# Altium PCB CB3-ECB_PCB.PcbDoc (part 1 of 4) (continued)
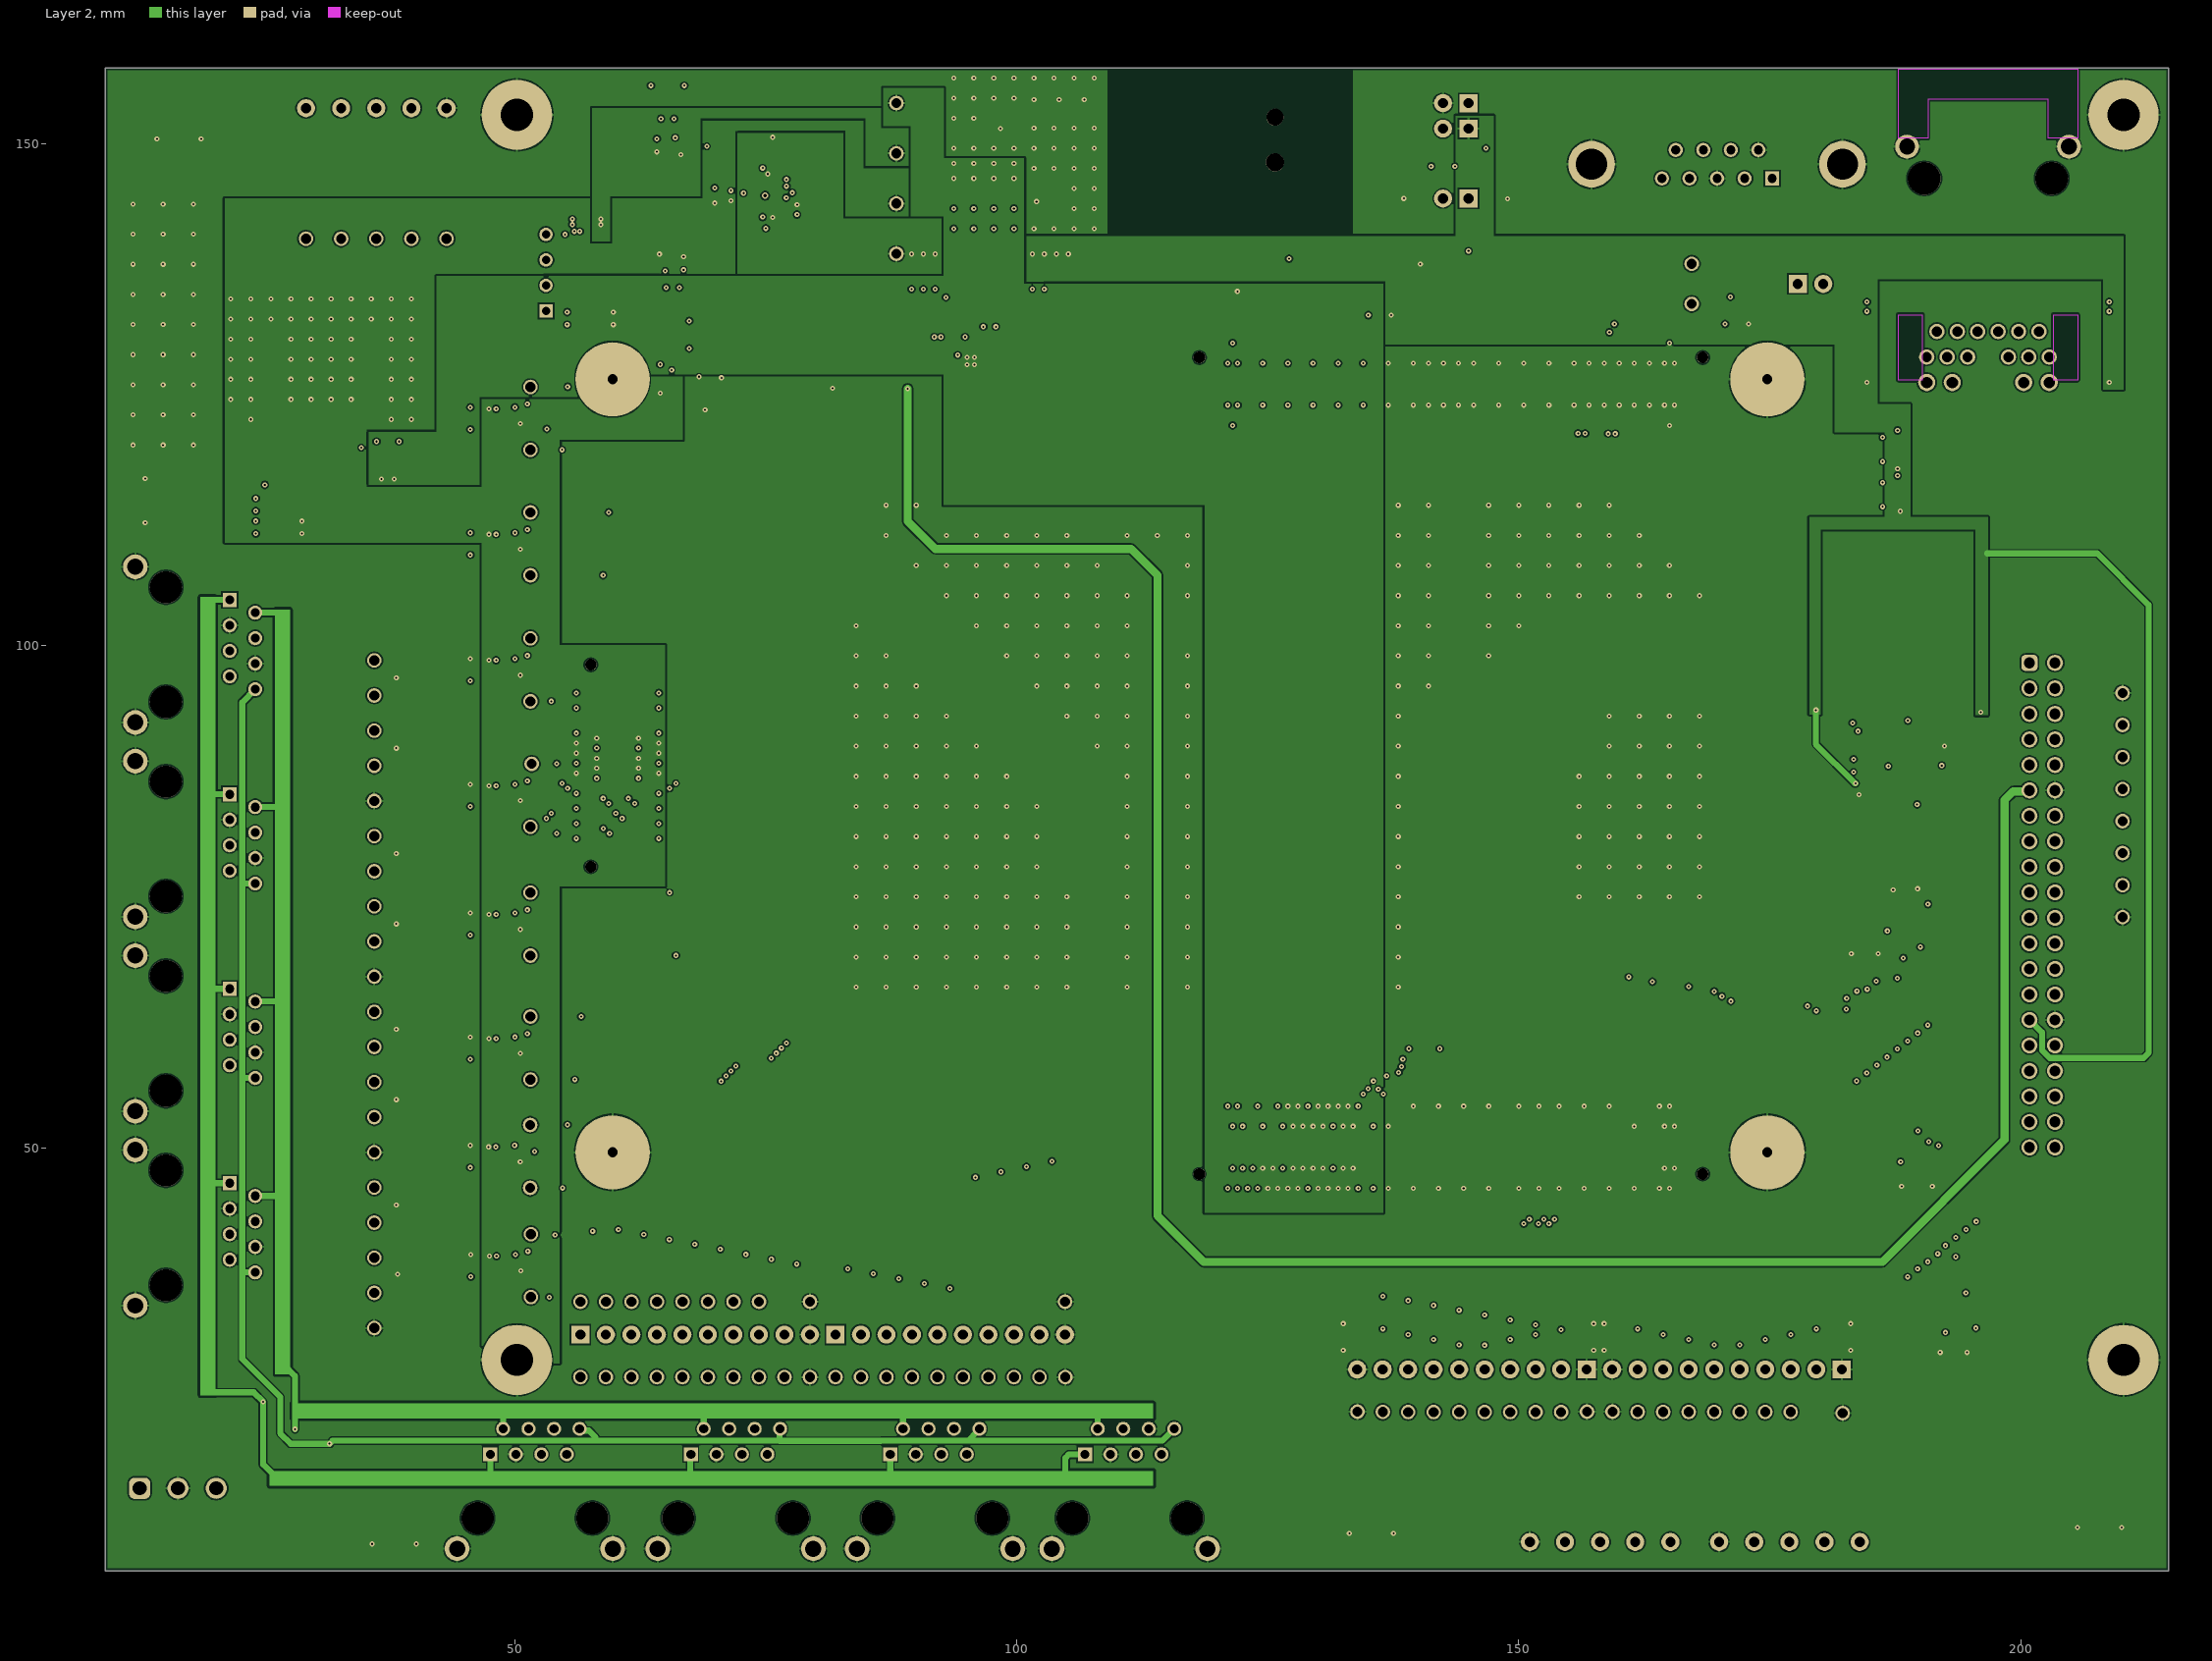
[diagram p3: Layer 2]

## Layer stack, top to bottom
Top Solder: solder mask 0.0102, Solder Resist, Dk 3.5
Top Layer: signal copper 0.035
Dielectric 1: prepreg 0.11, PP-006, Dk 4.29
Layer 1: signal copper 0.035
Dielectric4: dielectric 1.2, FR-4, Dk 4.8
Layer 2: signal copper 0.035
Dielectric 2: prepreg 0.11, PP-006, Dk 4.29
Bottom Layer: signal copper 0.035
Bottom Solder: solder mask 0.0102, Solder Resist, Dk 3.5

## Board outline
9.225,7.875 9.225,157.55 214.725,157.55 214.725,7.875
board region "Default Layer Stack Region": 9.225,7.875 9.225,157.55 214.725,157.55 214.725,7.875
board region "Default Layer Stack Region": 9.225,7.875 9.225,157.55 214.725,157.55 214.725,7.875
board region "Layer Stack Region 1": 9.225,7.875 9.225,157.55 214.725,157.55 214.725,7.875

## Design rules (kind name [scope] priority, off if disabled: settings)
BoardOutlineClearance [All] p1: gap=0.25 ignorepadtopadclearanceinfootprint=FALSE
Clearance Clearance_Layer1 [OnLayer('Layer 2')] p1: gap=0.152 ignorepadtopadclearanceinfootprint=FALSE except(0.25: Fill-Fill Fill-Poly Fill-Region Poly-Poly Poly-Region Region-Region)
Clearance [All] p2: gap=0.152 ignorepadtopadclearanceinfootprint=FALSE
ComponentClearance [All] p1: gap=0 collisioncheckmode=3 verticalgap=2540 showdistances=FALSE
DiffPairsRouting [InDifferentialPairClass('All Differential Pairs')] p1: maxlimit=0.18 minlimit=0.114 mostfreqgap=0.18 toplayer_mingap=0.18 toplayer_minwidth=0.15 toplayer_maxwidth=0.15 toplayer_prefwidth=0.15 bottomlayer_mingap=0.18 bottomlayer_minwidth=0.15 bottomlayer_maxwidth=0.15 bottomlayer_prefwidth=0.15 impedanceprofiledriven=TRUE impedanceprofileid={5B398267-E329-4BF6-97D7-3C22107C88F5} impedanceprofilevalue=100.000000 maxuncoupledlength=12.7
HoleSize [All] p1: absolutevalues=TRUE maxlimit=5 minlimit=0.2 maxpercent=80.000 minpercent=20.000
HoleToHoleClearance [All] p1: gap=0.3 allowstackedmicrovias=TRUE
MinimumAnnularRing [All] p1: minimumring=0.152
MinimumSolderMaskSliver [All] p1 off: minsoldermaskwidth=0.254
PasteMaskExpansion PasteMaskExpansion_J5_nomask [InComponent('J5')] p1: expansion=-10
PasteMaskExpansion PasteMaskExpansion_BGA [HasFootprint('FGG484')] p2 off: expansion=-0.175
PasteMaskExpansion PasteMaskExpansion_5mm [((PadXSize_TopLayer > 4.99) and (PadYSize_TopLayer > 4.99)) or ((PadXSize_BottomLayer > 4.99) and (PadYSize_BottomLayer > 4.99))] p3 off: expansion=-1
PasteMaskExpansion PasteMaskExpansion_2mm5 [((PadXSize_TopLayer > 2.49) and (PadYSize_TopLayer > 2.49)) or ((PadXSize_BottomLayer > 2.49) and (PadYSize_BottomLayer > 2.49))] p4 off: expansion=-0.5
PasteMaskExpansion PasteMaskExpansion_1mm [((PadXSize_TopLayer > 0.99) and (PadYSize_TopLayer > 0.99)) or ((PadXSize_BottomLayer > 0.99) and (PadYSize_BottomLayer > 0.99))] p5 off: expansion=-0.2
PasteMaskExpansion PasteMaskExpansion_default [All] p6 off: expansion=-0.05
PermittedLayers [All] p1: toplayerpermitted=TRUE bottomlayerpermitted=TRUE
PlaneClearance [All] p1: clearance=0.152
PlaneConnect PlaneConnect_pad [InPadClass('All Pads')] p1: planeconnectstyle=Relief reliefexpansion=0.2 reliefentries=4 reliefconductorwidth=0.2 reliefairgap=0.2
PlaneConnect [All] p2: planeconnectstyle=Direct reliefexpansion=0.508 reliefentries=4 reliefconductorwidth=0.254 reliefairgap=0.254
PolygonConnect [All] p1: thpad.connectstyle=Relief thpad.reliefconductorwidth=0.25 thpad.reliefentries=4 thpad.polygonreliefangle="90 Angle" thpad.airgapwidth=0.15 smdpad.connectstyle=Relief smdpad.reliefconductorwidth=0.25 smdpad.reliefentries=4 smdpad.polygonreliefangle="90 Angle" smdpad.airgapwidth=0.15 via.connectstyle=Direct via.reliefconductorwidth=0.254 via.reliefentries=4 via.polygonreliefangle="90 Angle" via.airgapwidth=0.254
RoutingVias [All] p1: holewidth=0.2 width=0.45 viastyle="Through Hole" minholewidth=0.2 minwidth=0.4 maxholewidth=2 maxwidth=4
SMDNeckDown [All] p1 off: percent=95.000
SMDToCorner [All] p1: distance=0
SilkToSilkClearance [All] p1 off: silktosilkclearance=0.254
SilkToSolderMaskClearance [IsPad] p1 off: minsilkscreentomaskgap=0.254 clearancetoexposedcopper=TRUE
SolderMaskExpansion [All] p1: expansion=0.051 istentingtop=FALSE
Width Width_power [InNetClass('PWR')] p1: maxlimit=2 minlimit=0.25 preferedwidth=0.4
Width [All] p2: maxlimit=2 minlimit=0.152 preferedwidth=0.152
20 further rules are at their usual default settings.

## Classes and differential pairs
component class Power: C56 C57 C58 C59 C60 C61 C62 C63 C64 C65 C66 C67 C68 C69 C71 C72 C82 C83 C85 C86 D1 D2 D3 F1 F2 F3 F4 F5 F6 FL1 J6 L1 L3 L4 LED1 P22 P23 P24 P25 P26 P27 P28 P29 P100 R2 R32 R33 R34 TP122 TP123 TP124 TP125 U11 U12 U13 U15
component class BBoard-JX2: B1 C78 C84 C89 D4 JX2 P1 P2 P3 P11 P12 P13 P15 P17 P18 P21 R41 R42 R43 R44 R46 R47 R48 R49 R51 R53 R54 R55 R56 R57 R58 R59 R60 R61 R62 R63 R64 R65 R66 R67 R68 R69 R84 R200 R201
component class BBoard-JX1: C70 C73 C74 C75 C76 JX1 P10 P19 P20 R36 R82 R83 TP128 TP129 U17 U18 U19
net class PWR: 3V3 5V2 +5V +12V +15V -5V -15V GND NetC58_1 NetC64_1 NetD2_A NetD2_K NetF6_1 NetL4_2
component class ADC: C16 C17 C18 C19 C20 C21 C22 C23 C24 C25 C26 C27 C28 C29 C30 C31 C32 C33 C34 C35 C36 C37 C38 C39 C40 C41 C42 C43 C44 C45 C46 C47 C48 C49 C50 C51 C52 C53 C54 C55 C77 C79 C80 C81 C87 C88 FL2 FL3 J100 J101 J102 J103 J104 J105 J106 J107 JX3 LAN1 R3 R4 R24 R25 R26 R27 R28 R29 R30 R31 R35 R37 R38 R39 R40 R71 R72 R73 R74 R75 R76 R77 R78 R79 R80 R81 TP106 TP107 TP108 TP109 TP110 TP111 TP112 TP113 TP114 TP115 TP116 TP117 TP118 TP119 TP120 TP121 U3 U4 U5 U6 U7 U8 U9 U10 U14
component class DAC: C1 C2 C3 C4 C5 C6 C7 C8 C9 C10 C11 C12 C13 C14 C15 P9 R5 R6 R7 R8 R9 R10 R11 R12 R13 R14 R15 R16 R17 R18 R19 R20 R21 R22 R23 R70 TP101 TP102 TP103 TP104 TP105 U1 U2
component class "Test points": J1 J2 J3 J4 J5 TP2 TP3 TP4 TP5 TP7 TP8 TP9 TP10 TP11 TP13 TP14 TP15 TP16 TP17 TP19 TP20 TP21 TP22 TP23 TP25 TP26 TP27 TP29 TP30 TP31 TP32 TP33 TP35 TP36 TP37 TP39 TP40 TP41 TP42 TP43 TP45 TP46 TP47 TP48 TP51 TP52 TP53 TP54 TP55 TP56 TP57 TP58 TP59 TP60 TP61 TP62 TP63 TP64 TP65 TP66 TP67 TP68 TP72 TP73 TP74 TP77 TP78 TP79 TP80 TP84 TP85 TP86 TP87 TP88 TP91 TP92 TP93 TP94 TP95 TP96 TP99 TP100
differential pair PHY_MDI3: +PHY_MDI3_P -PHY_MDI3_N
differential pair PHY_MDI2: +PHY_MDI2_P -PHY_MDI2_N
differential pair PHY_MDI1: +PHY_MDI1_P -PHY_MDI1_N
differential pair PHY_MDI0: +PHY_MDI0_P -PHY_MDI0_N

## Components (designator, comment, footprint, x,y, rotation, side; value= is the part's Value field where it differs from the comment)
B1 "SN74LV14BMPWREP" SOP65P640X120-14N 188.1,88.075 r180 top
C1 "CAP-10UF-10V-X5R-0603-10%" CAPC1608L(0603) 66.142,138.189 r90 top value=10uF
C2 "CAP-100NF-25V-X7R-0402-10%" CAPC1005L(0402) 64.997,138.492 r90 top value=100nF
C3 "CAP-10UF-10V-X5R-0603-10%" CAPC1608L(0603) 64.85,149.763 r90 top value=10uF
C4 "CAP-100NF-25V-X7R-0402-10%" CAPC1005L(0402) 65.995,149.46 r90 top value=100nF
C5 "CAP-56PF-50V-C0G-0402-1%" CAPC1005L(0402) 62.312,138.215 r180 top value=56pF
C6 "CAP-10NF-25V-X7R-0402-10%" CAPC1005L(0402) 64.59,136.183 r180 top value=10nF
C7 "CAP-100NF-25V-X7R-0402-10%" CAPC1005L(0402) 77.553,143.421 r90 top value=100nF
C8 "CAP-100NF-25V-X7R-0402-10%" CAPC1005L(0402) 72.125,144.85 r270 top value=100nF
C9 "CAP-10UF-10V-X5R-0603-10%" CAPC1608L(0603) 70.725,144.85 r270 top value=10uF
C10 "CAP-56PF-50V-C0G-0402-1%" CAPC1005L(0402) 68.688,138.215 r0 top value=56pF
C11 "CAP-10NF-25V-X7R-0402-10%" CAPC1005L(0402) 66.876,136.183 r0 top value=10nF
C12 "CAP-56PF-50V-C0G-0402-1%" CAPC1005L(0402) 68.666,150.458 r0 top value=56pF
C13 "CAP-10NF-25V-X7R-0402-10%" CAPC1005L(0402) 66.372,151.982 r0 top value=10nF
C14 "CAP-56PF-50V-C0G-0402-1%" CAPC1005L(0402) 61.782,150.458 r180 top value=56pF
C15 "CAP-10NF-25V-X7R-0402-10%" CAPC1005L(0402) 64.102,151.982 r180 top value=10nF
C16 "CAP-12PF-50V-C0G-0402-5%" CAPC1005L(0402) 47.822,41.573 r0 top value=12pF
C17 "CAP-12PF-50V-C0G-0402-5%" CAPC1005L(0402) 47.774,88.417 r0 top value=12pF
C18 "CAP-100NF-25V-X7R-0402-10%" CAPC1005L(0402) 50.078,38.266 r270 top value=100nF
C19 "CAP-10UF-10V-X5R-0603-10%" CAPC1608L(0603) 51.321,38.266 r270 top value=10uF
C20 "CAP-1UF-6.3V-X5R-0402-5%" CAPC1005L(0402) 45.648,38.266 r270 top value=1uF
C21 "CAP-100NF-25V-X7R-0402-10%" CAPC1005L(0402) 50.005,49.144 r270 top value=100nF
C22 "CAP-10UF-10V-X5R-0603-10%" CAPC1608L(0603) 51.248,49.144 r270 top value=10uF
C23 "CAP-12PF-50V-C0G-0402-5%" CAPC1005L(0402) 47.822,34.96 r0 top value=12pF
C24 "CAP-12PF-50V-C0G-0402-5%" CAPC1005L(0402) 47.774,81.803 r0 top value=12pF
C25 "CAP-1UF-6.3V-X5R-0402-5%" CAPC1005L(0402) 45.6,85.11 r270 top value=1uF
C26 "CAP-12PF-50V-C0G-0402-5%" CAPC1005L(0402) 47.749,52.451 r0 top value=12pF
C27 "CAP-12PF-50V-C0G-0402-5%" CAPC1005L(0402) 47.774,100.914 r0 top value=12pF
C28 "CAP-100NF-25V-X7R-0402-10%" CAPC1005L(0402) 50.03,59.939 r270 top value=100nF
C29 "CAP-10UF-10V-X5R-0603-10%" CAPC1608L(0603) 51.273,59.939 r270 top value=10uF
C30 "CAP-1UF-6.3V-X5R-0402-5%" CAPC1005L(0402) 45.575,49.144 r270 top value=1uF
C31 "CAP-100NF-25V-X7R-0402-10%" CAPC1005L(0402) 50.03,72.283 r270 top value=100nF
C32 "CAP-10UF-10V-X5R-0603-10%" CAPC1608L(0603) 51.273,72.283 r270 top value=10uF
C33 "CAP-1UF-6.3V-X5R-0402-5%" CAPC1005L(0402) 45.6,97.607 r270 top value=1uF
C34 "CAP-12PF-50V-C0G-0402-5%" CAPC1005L(0402) 47.749,45.837 r0 top value=12pF
C35 "CAP-12PF-50V-C0G-0402-5%" CAPC1005L(0402) 47.774,94.3 r0 top value=12pF
C36 "CAP-12PF-50V-C0G-0402-5%" CAPC1005L(0402) 47.774,63.245 r0 top value=12pF
C37 "CAP-12PF-50V-C0G-0402-5%" CAPC1005L(0402) 47.774,113.461 r0 top value=12pF
C38 "CAP-100NF-25V-X7R-0402-10%" CAPC1005L(0402) 50.03,85.11 r270 top value=100nF
C39 "CAP-10UF-10V-X5R-0603-10%" CAPC1608L(0603) 51.273,85.11 r270 top value=10uF
C40 "CAP-1UF-6.3V-X5R-0402-5%" CAPC1005L(0402) 45.6,59.939 r270 top value=1uF
C41 "CAP-100NF-25V-X7R-0402-10%" CAPC1005L(0402) 50.03,97.607 r270 top value=100nF
C42 "CAP-10UF-10V-X5R-0603-10%" CAPC1608L(0603) 51.273,97.607 r270 top value=10uF
C43 "CAP-1UF-6.3V-X5R-0402-5%" CAPC1005L(0402) 45.6,110.154 r270 top value=1uF
C44 "CAP-12PF-50V-C0G-0402-5%" CAPC1005L(0402) 47.774,56.632 r0 top value=12pF
C45 "CAP-12PF-50V-C0G-0402-5%" CAPC1005L(0402) 47.774,106.948 r0 top value=12pF
C46 "CAP-100NF-25V-X7R-0402-10%" CAPC1005L(0402) 50.03,110.154 r270 top value=100nF
C47 "CAP-10UF-10V-X5R-0603-10%" CAPC1608L(0603) 51.273,110.154 r270 top value=10uF
C48 "CAP-12PF-50V-C0G-0402-5%" CAPC1005L(0402) 47.774,75.59 r0 top value=12pF
C49 "CAP-12PF-50V-C0G-0402-5%" CAPC1005L(0402) 47.774,125.958 r0 top value=12pF
C50 "CAP-1UF-6.3V-X5R-0402-5%" CAPC1005L(0402) 45.6,72.283 r270 top value=1uF
C51 "CAP-100NF-25V-X7R-0402-10%" CAPC1005L(0402) 50.03,122.651 r270 top value=100nF
C52 "CAP-10UF-10V-X5R-0603-10%" CAPC1608L(0603) 51.273,122.651 r270 top value=10uF
C53 "CAP-1UF-6.3V-X5R-0402-5%" CAPC1005L(0402) 45.6,122.651 r270 top value=1uF
C54 "CAP-12PF-50V-C0G-0402-5%" CAPC1005L(0402) 47.774,68.976 r0 top value=12pF
C55 "CAP-12PF-50V-C0G-0402-5%" CAPC1005L(0402) 47.774,119.344 r0 top value=12pF
C56 "CAP-10UF-10V-X5R-0603-10%" CAPC1608L(0603) 92,136.735 r90 top value=10uF
C57 "CAP-100NF-25V-X7R-0402-10%" CAPC1005L(0402) 95.75,130.185 r270 top value=100nF
C58 "CAP-100NF-25V-X7R-0402-10%" CAPC1005L(0402) 95.05,132.735 r180 top value=100nF
C59 "CAP-10UF-25V-X5R-1206-10%" CAPC3216L(1206) 95.025,149.65 r270 top value=10uF
C60 "CAP-10UF-25V-X5R-1206-10%" CAPC3216L(1206) 37.375,118.9 r270 top value=10uF
C61 "CAP-100NF-25V-X7R-0402-10%" CAPC1005L(0402) 34.725,118.55 r270 top value=100nF
C62 "CAP-10UF-25V-X5R-1206-10%" CAPC3216L(1206) 26.525,114.05 r0 top value=10uF
C63 "CAP-10UF-25V-X5R-1206-10%" CAPC3216L(1206) 26.525,111.8 r0 top value=10uF
C64 "CAP-10UF-10V-X5R-0603-10%" CAPC1608L(0603) 56.225,139.85 r90 top value=10uF
C65 "CAP-10UF-10V-X5R-0603-10%" CAPC1608L(0603) 57.175,142.225 r180 top value=10uF
C66 "CAP-10UF-25V-X5R-1206-10%" CAPC3216L(1206) 57.533,132.612 r0 top value=10uF
C67 "CAP-100NF-25V-X7R-0402-10%" CAPC1005L(0402) 55.025,139.9 r90 top value=100nF
C68 "CAP-10UF-25V-X5R-1206-10%" CAPC3216L(1206) 97.3,129.485 r270 top value=10uF
C69 "CAP-10UF-10V-X5R-0603-10%" CAPC1608L(0603) 90.825,136.735 r90 top value=10uF
C70 "CAP-100NF-25V-X7R-0402-10%" CAPC1005L(0402) 171.725,132.05 r0 top value=100nF
C71 "CAP-10UF-10V-X5R-0603-10%" CAPC1608L(0603) 89.525,137.275 r90 top value=10uF
C72 "CAP-1UF-6.3V-X5R-0402-5%" CAPC1005L(0402) 92.975,133.575 r270 top value=1uF
C73 "CAP-100NF-25V-X7R-0402-10%" CAPC1005L(0402) 207.675,133.313 r180 top value=100nF
C74 "CAP-100NF-25V-X7R-0402-10%" CAPC1005L(0402) 207.675,134.25 r180 top value=100nF
C75 "CAP-100NF-25V-X7R-0402-10%" CAPC1005L(0402) 185.8,134.25 r0 top value=100nF
C76 "CAP-100NF-25V-X7R-0402-10%" CAPC1005L(0402) 185.8,133.313 r0 top value=100nF
C77 "CAP-100NF-25V-X7R-0402-10%" CAPC1005L(0402) 65.65,126.375 r270 top value=100nF
C78 "CAP-100NF-25V-X7R-0402-10%" CAPC1005L(0402) 145.525,149.55 r180 top value=100nF
C79 "CAP-10UF-10V-X5R-0603-10%" CAPC1608L(0603) 64.5,126.6 r270 top value=10uF
C80 "CAP-1UF-6.3V-X5R-0402-5%" CAPC1005L(0402) 70.1,127.225 r90 top value=1uF
C81 "CAP-1UF-6.3V-X5R-0402-5%" CAPC1005L(0402) 67.875,123.5 r180 top value=1uF
C82 "CAP-10UF-10V-X5R-0603-10%" CAPC1608L(0603) 101.55,137.275 r90 top value=10uF
C83 "CAP-10UF-10V-X5R-0603-10%" CAPC1608L(0603) 102.75,137.275 r90 top value=10uF
C84 "CAP-100NF-25V-X7R-0402-10%" CAPC1005L(0402) 147.675,144.525 r180 top value=100nF
C85 "CAP-10UF-25V-X5R-1206-10%" CAPC3216L(1206) 83.9,127.122 r90 top value=10uF
C86 "CAP-10UF-25V-X5R-1206-10%" CAPC3216L(1206) 79.014,127.122 r90 top value=10uF
C87 "CL31B106KAHNNNE" CAPC3216X180N 20.275,20.525 r0 top
C88 "CL31B106KAHNNNE" CAPC3216X180N 12.825,20.6 r0 top
C89 "Capacitor 100nF +/-20% 50V 0402" CAPC0402(1005)60_L 185.15,83.875 r90 top value=100nF
D1 "MBRA340T3G" DO-214AC 32.635,113.75 r0 top
D2 "SMAJ15A-TR" DO-214AC 116.325,149.35 r270 top value=975pF
D3 "MBRA340T3G" DO-214AC 22.35,119.975 r90 top
D4 "MBRA340T3G" DO-214AC 143.725,138.025 r180 top
F1 "Fiducial" Fiducial050 60.255,100.055 r0 top
F2 "Fiducial" Fiducial050 170.255,126.055 r0 top
F3 "Fiducial" Fiducial050 24.225,145.55 r0 top
F4 "Fiducial" Fiducial050 114.75,50.425 r0 top
F5 "Fiducial" Fiducial050 203.225,23.55 r0 top
F6 "1812L110/16DR" "PTC Fuse(1812)" 114.825,142.95 r180 top value=180mR
FL1 "BNX024H01L" FP-BNX02-MFG 105.225,149.35 r180 top
FL2 "YFF18SC1H223MT0H0N" YFF18SC1H223MT0H0N 19.95,24.875 r0 top
FL3 "YFF18SC1H223MT0H0N" YFF18SC1H223MT0H0N 12.875,24.925 r180 top
J1 "1625854-1" TP-3216L(1206) 207.837,12.2 r0 top
J2 "1625854-1" TP-3216L(1206) 13.2,114.45 r270 top
J3 "1625854-1" TP-3216L(1206) 135.325,11.6 r0 top
J4 "1625854-1" TP-3216L(1206) 38,10.55 r180 top
J5 "1625854-1" TP-3216L(1206) 16.578,150.5 r0 top
J6 "PJ-002AH-SMT-TR" PJ-002AH-SMT-TR 131.425,146.55 r270 top locked
J100 "1-1734264-1" FP-1-1734264-1-MFG 111.25,14.125 r0 top
J101 "1-1734264-1" FP-1-1734264-1-MFG 91.85,14.125 r0 top
J102 "1-1734264-1" FP-1-1734264-1-MFG 72,14.125 r0 top
J103 "1-1734264-1" FP-1-1734264-1-MFG 52.025,14.125 r0 top
J104 "1-1734264-1" FP-1-1734264-1-MFG 16.275,42.039 r270 top
J105 "1-1734264-1" FP-1-1734264-1-MFG 16.275,61.401 r270 top
J106 "1-1734264-1" FP-1-1734264-1-MFG 16.275,80.763 r270 top
J107 "1-1734264-1" FP-1-1734264-1-MFG 16.275,100.125 r270 top
JX1 "BSH-090-01-F-D-A" BSH-090-01-F-D-A 143.255,126.055 r270 top locked
JX2 "BSH-090-01-F-D-A" BSH-090-01-F-D-A 143.255,50.055 r90 top locked
JX3 "BSH-030-01-L-D-A" BSH-030-01-L-D-A 60.255,88.055 r0 top locked
L1 "VLS6045EX-3R3N" VLS6045EX 96.725,136.8 r90 top value=3.3uH
L3 "ILHB0805ER601V" RESC2012L(0805) 57.925,139.9 r90 top value="600Ω 2A"
L4 "84223C" "Inductor 8400 Serie" 57.625,135.95 r180 top value=22uH
LAN1 "S558-5999-U7-F" SOIC127P920X571-16N 30.275,20.075 r180 top
LED1 "LTST-C193KGKT-5A" LED0603_GREEN 125.725,138.55 r0 top
P1 "40-pin header" 61204021621 202.13,74.17 r270 top
P2 "1988985" 1988985 158.1,10.75 r270 top
P3 "1988985" 1988985 176.95,10.75 r270 top
P9 "1988985" 1988985 36.225,153.55 r90 top locked
P10 "LD09P33E4GV00LF" LD09P33E4GV00LF 175.225,146.55 r180 top locked
P11 "M20-9731045" M20-9731045 56.55,31.4 r180 top
P12 "M20-9990245" M20-9990245 144.995,151.51 r0 top
P13 "M20-9990245" M20-9990245 144.995,154.05 r0 top
P15 "M20-9731045" M20-9731045 81.95,31.4 r180 top
P17 "M20-9731045" M20-9731045 182.162,27.931 r0 top
P18 "M20-9731045" M20-9731045 156.762,27.931 r0 top
P19 "0826-1X1T-43-F" BEL_0826-1X1T-43-F 196.725,146.55 r0 top locked
P20 "M20-9990245" M20-9990245 177.785,136.05 r180 top
P21 "M20-9990245" M20-9990245 144.995,144.55 r0 top
P22 "9771050360R" 9771050360R#1 59.755,49.55 r0 top locked
P23 "9771050360R" 9771050360R#1 59.755,126.55 r0 top locked
P24 "9771050360R" 9771050360R#2 174.755,126.55 r0 top locked
P25 "9771050360R" 9771050360R#1 174.755,49.55 r0 top locked
P26 "Spacer M3 connected" "Spacer M3 connected" 50.225,28.875 r0 top locked
P27 "Spacer M3 connected" "Spacer M3 connected" 210.225,28.875 r0 top
P28 "Spacer M3 connected" "Spacer M3 connected" 50.225,152.875 r0 top locked
P29 "Spacer M3 connected" "Spacer M3 connected" 210.225,152.875 r0 top locked
P100 "3-Pin Header Block" 691322310003 16.475,12.69 r0 top
R2 "RES-1.8KΩ-1/8W-25PPM-0603-0.1%" RESC1608L(0603) 122.725,138.55 r180 top value=1.8kΩ
R3 "RES-1MΩ-1/16W-100PPM-0402-1%" RESC1005L(0402) 38.225,60.55 r270 top value=1MΩ
R4 "RES-1MΩ-1/16W-100PPM-0402-1%" RESC1005L(0402) 38.225,63.05 r90 top value=1MΩ
R5 "RES-6.19KΩ-1/16W-100PPM-0402-1%" RESC1005L(0402) 62.312,137.199 r180 top value=6.19kΩ
R6 "RES-3.09KΩ-1/16W-100PPM-0402-1%" RESC1005L(0402) 62.837,133.482 r270 top value=3.09kΩ
R7 "RES-3.09KΩ-1/16W-100PPM-0402-1%" RESC1005L(0402) 64.091,133.482 r270 top value=3.09kΩ
R8 "RES-6.19KΩ-1/16W-100PPM-0402-1%" RESC1005L(0402) 64.591,135.167 r180 top value=6.19kΩ
R9 "RES-6.19KΩ-1/16W-100PPM-0402-1%" RESC1005L(0402) 68.688,137.199 r0 top value=6.19kΩ
R10 "RES-3.09KΩ-1/16W-100PPM-0402-1%" RESC1005L(0402) 68.671,133.482 r270 top value=3.09kΩ
R11 "RES-6.19KΩ-1/16W-100PPM-0402-1%" RESC1005L(0402) 75.697,149.3 r90 top value=6.19kΩ
R12 "RES-3.09KΩ-1/16W-100PPM-0402-1%" RESC1005L(0402) 67.401,133.482 r270 top value=3.09kΩ
R13 "EXB-28V330JX" RESQUAD0804 150.255,43.97 r180 top value=33Ω
R14 "RES-6.19KΩ-1/16W-100PPM-0402-1%" RESC1005L(0402) 66.901,135.167 r0 top value=6.19kΩ
R15 "EXB-28V330JX" RESQUAD0804 152.755,43.97 r180 top value=33Ω
R16 "RES-6.19KΩ-1/16W-100PPM-0402-1%" RESC1005L(0402) 68.666,151.474 r0 top value=6.19kΩ
R17 "RES-3.09KΩ-1/16W-100PPM-0402-1%" RESC1005L(0402) 68.141,154.683 r90 top value=3.09kΩ
R18 "RES-3.09KΩ-1/16W-100PPM-0402-1%" RESC1005L(0402) 66.887,154.683 r90 top value=3.09kΩ
R19 "RES-6.19KΩ-1/16W-100PPM-0402-1%" RESC1005L(0402) 66.387,152.998 r0 top value=6.19kΩ
R20 "RES-6.19KΩ-1/16W-100PPM-0402-1%" RESC1005L(0402) 61.782,151.474 r180 top value=6.19kΩ
R21 "RES-3.09KΩ-1/16W-100PPM-0402-1%" RESC1005L(0402) 62.307,154.683 r90 top value=3.09kΩ
R22 "RES-3.09KΩ-1/16W-100PPM-0402-1%" RESC1005L(0402) 63.577,154.683 r90 top value=3.09kΩ
R23 "RES-6.19KΩ-1/16W-100PPM-0402-1%" RESC1005L(0402) 64.077,152.998 r180 top value=6.19kΩ
R24 "ACASA1002S1002P100" RESQUAD1206 43.814,38.266 r270 top value=10kΩ
R25 "ACASA1002S1002P100" RESQUAD1206 43.766,85.11 r270 top value=10kΩ
R26 "ACASA1002S1002P100" RESQUAD1206 43.741,49.144 r270 top value=10kΩ
R27 "ACASA1002S1002P100" RESQUAD1206 43.766,97.607 r270 top value=10kΩ
R28 "ACASA1002S1002P100" RESQUAD1206 43.766,59.939 r270 top value=10kΩ
R29 "ACASA1002S1002P100" RESQUAD1206 43.766,110.154 r270 top value=10kΩ
R30 "ACASA1002S1002P100" RESQUAD1206 43.766,72.283 r270 top value=10kΩ